# KiCad board pcb.kicad_pcb (continued)
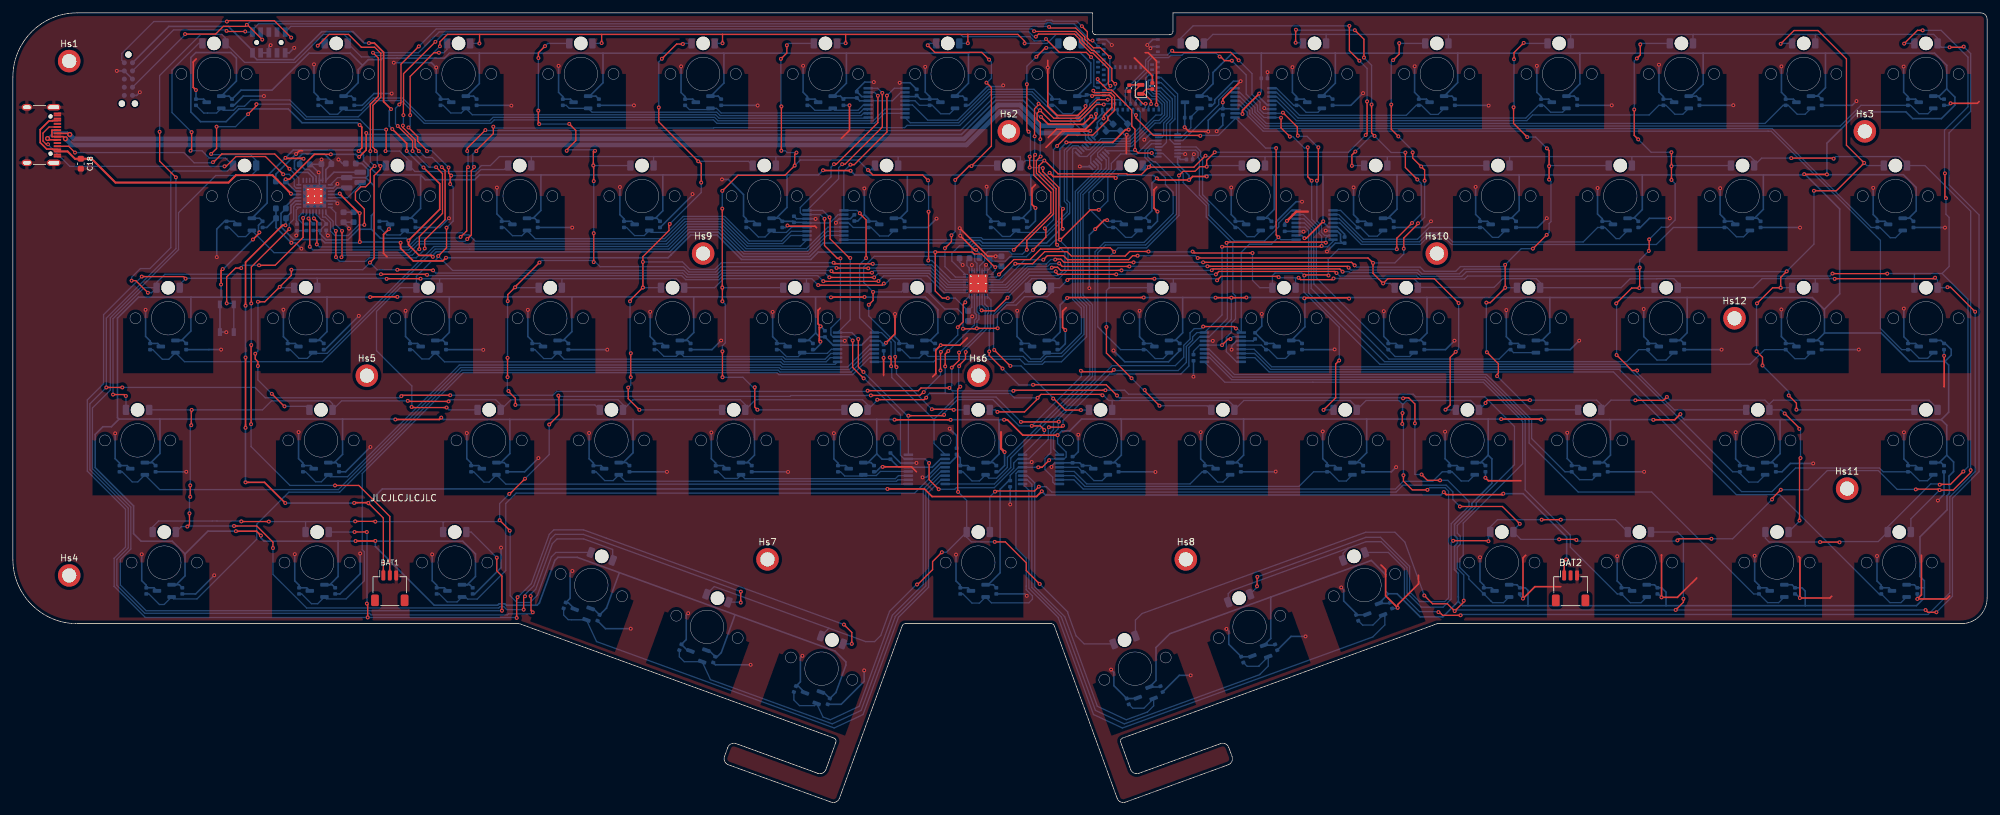
[diagram p0: board, top side]
## Routing (per net, layer and track width the routed paths; a pad name or vN(x,y) marks a point on that pad's centre or on a via; arc(x,y) is an arc through that point) (continued)
/AIN0: length 22
  Bottom w0.2: MUXA1.4 168.53,100.5 168.53,100.94 169.59,102 173.86,102 177.47,105.62 178.24,105.62 179.35,106.73 179.35,108.88 178.06,110.17 177.25,110.17 176.42,111.01 176.4,111.01 176.4,112.01 176.4,112.01 176.4,112.21 176.5,112.31 MDBT1.11
/AIN1: length 24.4
  Bottom w0.2: MDBT1.9 176.5,113.11 176,112.61 176,110.81 177.03,109.77 177.89,109.77 178.95,108.71 178.95,106.9 178.07,106.02 177.31,106.02 173.69,102.4 169.43,102.4 167.47,100.45 167.47,99.44 MUXA1.7
/AIN2: length 13.2
  Bottom w0.2: MDBT1.20 175.15,107.41 175.15,104.99 173.36,103.2 169.09,103.2 167.37,101.48 166.85,101.48 MUXA1.12
/AIN3: length 22.6
  Bottom w0.2: MUXA1.9 165.79,100.42 166.88,100.42 169.26,102.8 173.52,102.8 177.58,106.86 178.35,106.86 178.55,107.06 178.55,108.55 177.73,109.37 174.71,109.37 174.45,109.11 MDBT1.21
/AIN4: length 10.8
  Bottom w0.2: MDBT1.13 177,110.99 177.42,110.57 178.22,110.57 179.75,109.04 179.75,106.57 178.8,105.61 178.8,103.67 178.53,103.4 MUXA2.7 177.93,103.36
/AIN5: length 10.4
  Bottom w0.2: MDBT1.10 178.4,112.71 180.97,110.14 MUXA2.9
/AIN6: length 11.7
  Bottom w0.2: MUXA2.4 178.53,101.9 179.24,102.61 179.24,105.49 180.15,106.4 180.15,109.21 180.15,109.21 180.15,109.36 178.4,111.11 MDBT1.14
/AIN7: length 12
  Bottom w0.2: MDBT1.12 178.4,111.91 180.55,109.76 180.55,106.24 179.79,105.47 179.79,103.03 180.41,102.4 MUXA2.12
/ANA_01: length 116.4
  Bottom w0.2: Cvout1.1 29.66,107.18 30.26,107.18 30.26,107.18 31.66,107.18 TMR1.2 32.69,107.61 34.3,107.61 34.93,108.24 36,108.24 36.97,109.21 43.02,109.21 45.64,106.59 53.66,106.59 56.18,109.11 60.39,109.11 63.92,105.58 74.25,105.58 74.78,106.11 108.86,106.11 109.39,105.58 133.85,105.58 135.41,107.14 MUXB1.7
/ANA_02: length 95.7
  Bottom w0.2: Cvout2.1 47.85,108.38 49.24,106.99 50.47,106.99 TMR2.2 51.69,107.61 54.12,107.61 56.02,109.51 60.56,109.51 64.09,105.98 74.09,105.98 74.62,106.51 109.03,106.51 109.56,105.98 133.69,105.98 135.49,107.79 MUXB1.6
/ANA_03: length 67.9
  Bottom w0.2: MUXB1.9 132.78,106.38 109.72,106.38 109.19,106.91 71.39,106.91 TMR3.2 69.67,107.19 68.04,107.19 66.85,108.38 Cvout3.1
/ANA_04: length 48.5
  Bottom w0.2: Cvout4.1 85.97,108.38 86.44,107.91 TMR4.2 89.99,107.31 109.36,107.31 109.89,106.78 131.8,106.78 132.15,107.14 MUXB1.10 132.74,106.99
/ANA_05: length 29.5
  Bottom w0.2: 132.74,107.64 MUXB1.11 132.15,107.79 131.56,107.19 110.05,107.19 109.33,107.91 TMR5.2 108.2,107.72 105.11,107.72 Cvout5.1
/ANA_06: length 10.4
  Bottom w0.2: Cvout6.1 123.83,108.38 124.61,107.6 127.08,107.6 TMR6.2 127.69,107.61 131.32,107.61 132.14,108.44 MUXB1.12
/ANA_07: length 9
  Bottom w0.2: MUXB1.4 140.17,109.09 140.87,108.38 Cvout7.1 142.85,108.38 144.17,107.06 145.54,107.06 TMR7.2
/ANA_08: length 31.7
  Bottom w0.2: TMR8.2 164.56,107.08 163.14,107.08 161.84,108.38 Cvout8.1 161.14,108.38 158.65,110.87 151.59,110.87 146.79,106.07 142.14,106.07 139.78,108.44 MUXB1.5
/ANA_09: length 6.3
  Bottom w0.2: MUXA2.10 181.53,103.4 183.03,104.9 Cvout9.1 183.03,106.55 TMR9.2
/ANA_10: length 9.6
  Bottom w0.2: TMR10.2 202.77,107.29 200.94,107.29 199.85,108.38 Cvout10.1 199,108.38 196.35,111.04 MUXB5.9
/ANA_11: length 29.9
  Bottom w0.2: MUXB5.10 196.35,110.39 199.9,106.83 216.5,106.83 218.05,108.38 Cvout11.1 218.85,108.38 220.27,106.96 221.44,106.96 TMR11.2
/ANA_12: length 48.7
  Bottom w0.2: TMR12.2 240.79,107.31 238.92,107.31 237.85,108.38 Cvout12.1 237.05,108.38 235.07,106.4 199.68,106.4 196.35,109.74 MUXB5.11
/ANA_13: length 68
  Bottom w0.2: MUXB5.12 196.35,109.09 199.43,106 235.24,106 236.12,106.88 254.24,106.88 255.74,108.38 Cvout13.1 256.85,108.38 258.24,106.99 259.47,106.99 TMR13.2
/ANA_14: length 94
  Bottom w0.2: TMR14.2 278.47,106.99 277.24,106.99 275.85,108.38 Cvout14.1 275.05,108.38 272.23,105.56 194.77,105.56 192.98,107.35 192.98,108.03 190.62,110.39 MUXB5.7
/ANA_15: length 113
  Bottom w0.2: TMR15.2 297.55,107.07 296.16,107.07 294.85,108.38 Cvout15.1 287.15,108.38 283.93,105.16 194.6,105.16 192.58,107.19 192.58,107.78 190.62,109.74 MUXB5.6
/ANA_16: length 103.1
  Bottom w0.2: MUXB2.5 126.64,89.44 123.29,86.08 113.91,86.08 110.09,89.9 104.66,89.9 101.58,86.82 62.99,86.82 61.63,85.46 40.59,85.46 TMR16.2 36.19,87.96 35.02,87.96 33.6,89.38 Cvout16.1
/ANA_17: length 71.2
  Bottom w0.2: MUXB2.9 122.38,86.48 114.08,86.48 110.26,90.3 104.49,90.3 101.43,87.24 71.85,87.24 70.86,88.23 70.17,88.23 69.84,88.56 61.24,88.56 TMR17.2 60.2,88.22 58.11,88.22 Cvout17.1
/ANA_18: length 52.2
  Bottom w0.2: MUXB2.10 120.86,88.14 119.61,86.88 114.24,86.88 110.42,90.7 104.33,90.7 101.27,87.64 81.16,87.64 TMR18.2 79.08,88.1 77.63,88.1 76.35,89.38 Cvout18.1
/ANA_19: length 32.6
  Bottom w0.2: Cvout19.1 95.35,89.38 96.61,88.12 98.1,88.12 TMR19.2 99.19,88.61 101.67,88.61 104.16,91.1 110.59,91.1 114.41,87.28 119.44,87.28 120.95,88.79 MUXB2.11
/ANA_20: length 10.9
  Bottom w0.2: MUXB2.12 121,89.44 120.18,88.61 118.19,88.61 TMR20.2 116.88,87.9 115.83,87.9 114.35,89.38 Cvout20.1
/ANA_21: length 9
  Bottom w0.2: MUXB2.4 129.85,90.09 130.55,89.38 Cvout21.1 133.35,89.38 134.67,88.06 136.04,88.06 TMR21.2
/ANA_22: length 28.3
  Bottom w0.2: MUXA1.13 166.8,102.23 166.26,102.76 164.75,102.76 163.38,101.39 163.38,93.46 163.81,93.03 163.81,91.78 160.63,88.61 156.19,88.61 TMR22.2 155.87,88.91 154.94,87.98 153.75,87.98 152.35,89.38 Cvout22.1
/ANA_23: length 27.2
  Bottom w0.2: MUXA2.6 176.72,102.9 174.63,100.82 172.14,100.82 170.67,99.35 170.67,98.32 167.19,94.84 167.19,92.31 170.12,89.38 Cvout23.1 171.35,89.38 172.89,87.84 173.82,87.84 TMR23.2
/ANA_24: length 22.9
  Bottom w0.2: MUXA2.13 183.85,101.9 184.55,101.21 184.55,100.43 184.85,100.13 184.85,94.48 189.95,89.38 Cvout24.1 190.35,89.38 191.78,87.95 192.93,87.95 TMR24.2
/ANA_25: length 9.8
  Bottom w0.2: TMR25.2 212.01,88.03 210.7,88.03 209.35,89.38 Cvout25.1 206.29,92.04 MUXB6.9
/ANA_26: length 30.2
  Bottom w0.2: MUXB6.10 206.01,91.39 209.84,87.55 218.24,87.55 220.07,89.38 Cvout26.1 228.35,89.38 229.89,87.84 230.82,87.84 TMR26.2
/ANA_27: length 50.6
  Bottom w0.2: MUXB6.11 206.09,90.74 209.68,87.15 218.53,87.15 219.9,88.52 222.32,88.52 223.71,87.13 243.99,87.13 246.24,89.38 Cvout27.1 247.35,89.38 249.08,87.65 249.63,87.65 TMR27.2
/ANA_28: length 69.4
  Bottom w0.2: TMR28.2 268.91,87.93 267.8,87.93 266.35,89.38 Cvout28.1 258,89.38 255.35,86.73 223.54,86.73 222.15,88.12 220.07,88.12 218.7,86.75 209.51,86.75 206.18,90.09 MUXB6.12
/ANA_29: length 113.3
  Bottom w0.2: TMR29.2 292.52,87.79 291.69,87.79 290.1,89.38 Cvout29.1 288.74,89.38 273.36,104.76 194.44,104.76 192.18,107.02 192.18,107.53 190.62,109.09 MUXB5.5
/ANA_30: length 120.7
  Bottom w0.2: MUXB2.7 126.48,88.14 123.62,85.28 113.58,85.28 109.79,89.08 104.96,89.08 101.91,86.02 70.96,86.02 65.61,86.02 48.09,68.5 26.67,68.5 TMR30.2 24.23,68.88 23.23,68.88 21.73,70.38 Cvout30.1
/ANA_31: length 98.4
  Bottom w0.2: MUXB2.6 126.56,88.79 123.46,85.68 113.75,85.68 109.95,89.48 104.8,89.48 101.74,86.42 70.79,86.42 65.43,86.42 48.81,69.8 46.75,69.8 TMR31.2 45.75,69.02 44.46,69.02 43.1,70.38 Cvout31.1
/ANA_32: length 68.4
  Bottom w0.2: MUXB3.9 127.74,68.09 119.69,68.09 119.3,68.49 67.06,68.49 TMR32.2 64.66,68.93 63.55,68.93 62.1,70.38 Cvout32.1
/ANA_33: length 49.2
  Bottom w0.2: MUXB3.10 127,69.14 126.36,68.49 119.86,68.49 119.45,68.9 85.65,68.9 TMR33.2 83.72,68.99 82.49,68.99 81.1,70.38 Cvout33.1
/ANA_34: length 29.9
  Bottom w0.2: MUXB3.11 127.09,69.79 126.19,68.89 120.02,68.89 119.61,69.3 104.25,69.3 TMR34.2 103.06,69.33 101.15,69.33 100.1,70.38 Cvout34.1
/ANA_35: length 10.5
  Bottom w0.2: MUXB3.12 127.17,70.44 126.54,69.8 122.75,69.8 TMR35.2 122.02,69.29 120.19,69.29 119.1,70.38 Cvout35.1
/ANA_36: length 60.8
  Bottom w0.2: MUXA1.6 168.62,99.01 168.62,98.53 165.08,94.99 165.08,78.35 166.43,77 166.43,72.76 162.98,69.31 160.59,69.31 159.8,68.51 157.78,68.51 156.97,69.33 142.22,69.33 TMR36.2 140.82,69.09 139.39,69.09 138.1,70.38 Cvout36.1
/ANA_37: length 42.2
  Bottom w0.2: MUXA1.10 165.74,101.17 165.2,101.7 164.82,101.7 164.66,101.54 164.66,101.25 164.64,101.23 164.64,100.93 164.66,100.91 164.66,78.2 166.03,76.84 166.03,72.95 162.88,69.8 160.75,69.8 TMR37.2 160.63,69.91 159.65,68.93 158.15,68.93 Cvout37.1
/ANA_38: length 53.5
  Bottom w0.2: MUXA2.3 177.41,101.4 177.2,101.61 176.68,101.61 176.32,101.26 176.32,100.42 177.13,99.61 177.51,99.61 180.78,96.34 180.78,91.44 176,86.66 169.76,86.66 168.56,85.46 168.56,73.93 172.11,70.38 Cvout38.1 176.1,70.38 177.49,68.99 178.72,68.99 TMR38.2
/ANA_39: length 9
  Bottom w0.2: TMR39.2 197.74,69.01 196.47,69.01 195.1,70.38 Cvout39.1 194,71.09 MUXB7.4
/ANA_40: length 32.2
  Bottom w0.2: TMR40.2 217.04,69.31 214.77,69.31 Cvout40.1 202.53,81.55 202.53,89.36 200.5,91.39 MUXB6.7
/ANA_41: length 52.1
  Bottom w0.2: MUXB6.6 200.59,90.74 202.13,89.19 202.13,80.6 213.82,68.91 230.92,68.91 232.39,70.38 Cvout41.1 233.17,69.91 TMR41.2
/ANA_42: length 75
  Bottom w0.2: TMR42.2 256.92,68.82 256.91,68.82 256.85,68.76 255.45,68.76 254.07,70.14 Cvout42.1 252.63,70.38 250.76,68.51 213.12,68.51 201.73,79.9 201.73,89.03 200.67,90.09 MUXB6.5
/ANA_43: length 96.4
  Bottom w0.2: TMR43.2 278.45,68.97 276.88,68.97 275.47,70.38 Cvout43.1 272.18,70.38 269.91,68.11 212.39,68.11 201.33,79.18 201.33,88.86 200.75,89.44 MUXB6.4
/ANA_44: length 133.5
  Bottom w0.2: TMR44.2 297.52,69.04 296.19,69.04 294.85,70.38 Cvout44.1 293.47,70.38 290.17,73.68 290.17,87.38 273.2,104.35 272.71,104.35 272.7,104.36 194.27,104.36 191.78,106.85 191.78,107.28 190.62,108.44 MUXB5.4
/ANA_45: length 128.6
  Bottom w0.2: MUXB3.5 133.13,70.44 129.98,67.29 119.36,67.29 119.06,67.59 69.56,67.59 50.58,48.61 22.81,48.61 TMR45.2 19.41,49.81 18.55,49.81 16.98,51.38 Cvout45.1
/ANA_46: length 98.7
  Bottom w0.2: MUXB3.4 133.13,71.09 129.73,67.69 119.53,67.69 119.23,67.99 69.37,67.99 51.99,50.61 49.31,50.61 TMR46.2 47.92,49.82 47.03,49.82 45.48,51.38 Cvout46.1
/ANA_47: length 69.7
  Bottom w0.2: MUXB4.9 138.4,49.49 138.38,49.46 76.59,49.46 TMR47.2 74.01,49.78 73.2,49.78 71.6,51.38 Cvout47.1
/ANA_48: length 50.4
  Bottom w0.2: MUXB4.10 137.51,50.14 137.28,49.91 95.14,49.91 TMR48.2 94.14,50.89 93.26,50.01 91.97,50.01 90.6,51.38 Cvout48.1
/ANA_49: length 31.1
  Bottom w0.2: MUXB4.11 137.59,50.79 137.12,50.31 113.74,50.31 TMR49.2 113.14,50.89 112.59,50.34 110.64,50.34 109.6,51.38 Cvout49.1
/ANA_50: length 11.6
  Bottom w0.2: MUXB4.12 134.79,51.44 134.16,50.8 132.25,50.8 TMR50.2 132.14,50.89 131.97,50.72 129.26,50.72 128.6,51.38 Cvout50.1
/ANA_51: length 65.4
  Bottom w0.2: Cvout51.1 147.6,51.38 149.02,49.96 150.19,49.96 TMR51.2 151.66,50.39 152.84,50.39 154.51,52.07 154.51,53.63 167.34,66.45 167.34,77.22 165.88,78.68 165.88,94.66 169.87,98.65 169.87,99.89 169.3,100.46 MUXA1.3
/ANA_52: length 8.8
  Bottom w0.2: TMR52.2 169.24,50.01 167.97,50.01 166.6,51.38 Cvout52.1 165.5,52.09 MUXB8.4
/ANA_53: length 29.2
  Bottom w0.2: MUXB8.5 164.91,51.44 166.84,49.5 182.92,49.5 184.8,51.38 Cvout53.1 185.6,51.38 187.19,49.79 188.02,49.79 TMR53.2
/ANA_54: length 48.2
  Bottom w0.2: MUXB8.6 164.9,50.79 166.58,49.1 199.82,49.1 202.1,51.38 Cvout54.1 204.6,51.38 206.04,49.94 207.17,49.94 TMR54.2
/ANA_55: length 67.2
  Bottom w0.2: TMR55.2 226.18,49.95 225.03,49.95 223.6,51.38 Cvout55.1 222.09,51.38 220.61,49.9 216.02,49.9 214.82,48.7 166.3,48.7 164.87,50.14 MUXB8.7
/ANA_56: length 71.5
  Bottom w0.2: TMR56.2 245.61,50.38 245.61,50.37 245.39,50.15 243.43,50.15 Cvout56.1 241.15,51.38 235.98,56.55 235.98,59.5 228.97,66.51 189.8,66.51 185.87,70.44 MUXB7.12
/ANA_57: length 90.6
  Bottom w0.2: TMR57.2 271.13,49.78 269.69,49.78 268.32,51.15 Cvout57.1 267.22,51.38 250.89,67.71 195.59,67.71 192.86,70.44 MUXB7.5
/ANA_58: length 119.1
  Bottom w0.2: TMR58.2 297.47,49.99 296.24,49.99 294.85,51.38 Cvout58.1 290.6,51.38 290.01,51.97 276.99,51.97 273.32,48.3 268.6,48.3 249.59,67.31 195.42,67.31 192.94,69.79 MUXB7.6
/ANA_59: length 131.9
  Bottom w0.2: Cvout59.1 21.12,32.38 22.77,30.74 23.49,30.74 TMR59.2 24.96,31.61 28.61,31.61 37.89,40.89 37.89,43.23 42.07,47.41 42.08,47.41 42.88,48.21 50.78,48.21 69.76,67.19 118.89,67.19 119.19,66.89 130.23,66.89 133.13,69.79 MUXB3.6
/ANA_60: length 116.6
  Bottom w0.2: MUXB3.7 133.13,69.14 130.48,66.49 119.03,66.49 118.73,66.79 69.96,66.79 54.28,51.11 54.28,39.27 54.61,38.94 54.61,34.44 51.78,31.61 48.71,31.61 TMR60.2 47.36,30.86 46.4,30.86 44.88,32.38 Cvout60.1
/ANA_61: length 94.6
  Bottom w0.2: MUXB4.4 144.13,52.09 140.1,48.06 78.19,48.06 76.58,46.45 76.58,36.02 72.14,31.58 70.65,31.58 70.32,31.91 TMR61.2 69.02,31.14 67.49,31.14 66.25,32.38 Cvout61.1
/ANA_62: length 93.7
  Bottom w0.2: 89.11,28.36 86.77,28.36 86.29,28.38 85.57,29.1 Cvout62.1 ; MUXB4.7 144.21,50.14 142.28,48.21 142.28,33.43 137.61,28.76 132.1,13.63 127.61,11.53 90.69,24.97 TMR62.2
/ANA_63: length 74.1
  Bottom w0.2: Cvout63.1 103.55,22.61 104.32,21.84 TMR63.2 108.39,19.06 127.31,12.17 131.8,14.27 137.11,28.86 137.11,28.88 141.85,33.62 141.85,48.51 144.13,50.79 MUXB4.6
/ANA_64: length 55
  Bottom w0.2: MUXB4.5 144.19,51.44 141.45,48.7 141.45,33.87 136.66,29.08 131.5,14.91 127.01,12.82 125.88,13.23 TMR64.2 124.56,15.01 122.22,15.01 121.35,15.88 Cvout64.1
/ANA_65: length 34.6
  Bottom w0.2: MUXB8.12 156.16,51.44 155.85,51.12 155.85,39.54 157.45,37.94 157.45,33.6 157.44,33.59 157.44,33.05 158.42,32.07 158.42,31.56 157.86,31 152.05,31 TMR65.2 150.19,30.96 149.02,30.96 147.6,32.38 Cvout65.1
/ANA_66: length 55.6
  Bottom w0.2: Cvout66.1 173.99,14.61 175.74,14.61 TMR66.2 177.25,14.98 176.28,14.01 176.26,14.01 172.99,12.82 168.5,14.91 163.43,28.84 158.77,33.5 158.77,49.64 157.62,50.79 MUXB8.11
/ANA_67: length 75.2
  Bottom w0.2: Cvout67.1 191.77,21.13 193.61,21.13 193.61,21.18 TMR67.2 195.05,21.17 193.75,19.87 193.75,19.84 172.69,12.17 168.2,14.27 162.91,28.79 158.32,33.38 158.32,49.44 157.62,50.14 MUXB8.10
/ANA_68: length 94.6
  Bottom w0.2: MUXB8.9 157.86,48.51 157.86,33.28 162.4,28.74 167.9,13.63 172.39,11.53 211.3,25.7 213.17,27.57 213.17,28.85 TMR68.2 211.32,27.54 209.71,27.54 Cvout68.1
/ANA_69: length 90.6
  Bottom w0.2: MUXB7.9 188.31,65.31 201.99,65.31 228.47,65.31 234.57,59.21 234.57,52.63 225.35,43.4 225.35,38.39 224.82,37.86 224.82,36.51 226.22,35.11 226.22,34.71 Cvout69.1 229.7,31.23 229.71,31.23 229.92,31.02 231.6,31.02 TMR69.2
/ANA_70: length 92.3
  Bottom w0.2: TMR70.2 252.96,31.01 251.32,31.01 249.95,32.38 Cvout70.1 249.27,32.38 241.99,39.66 241.99,41.54 234.97,48.55 234.97,59.37 228.64,65.71 189.38,65.71 185.96,69.14 MUXB7.10
/ANA_71: length 108.6
  Bottom w0.2: MUXB7.11 185.87,69.79 189.55,66.11 228.8,66.11 235.58,59.33 235.58,55.86 243.21,48.23 254.63,48.23 270.48,32.38 Cvout71.1 272.65,31.03 274.36,31.03 TMR71.2
/ANA_72: length 119.5
  Bottom w0.2: TMR72.2 293.36,31.03 291.65,31.03 Cvout72.1 289.96,32.38 274.51,47.83 267.77,47.83 248.69,66.91 195.18,66.91 192.96,69.14 MUXB7.7
/CS0: length 166.3
  Top w0.2: v1(173.82,65.93) 169.91,69.84 v1(169.91,73.9) ; v1(175.86,64.1) 175.92,64.04 175.92,63.89 v1(178.16,61.65) ; v1(186.74,101.08) 185.49,99.83 185.49,98.85 v1(185.5,98.84) 184.4,98.84 183.67,98.11 181.83,98.11 v1(181.18,97.46) ; v1(171.12,85.6) 170.49,86.22 162.75,86.22 162.55,86.02 159.68,86.02 158.05,84.39 155.53,84.39 v1(153.21,82.07) ; v1(210.41,108.99) 210.41,103.97 v1(210.19,103.75) ; v1(207.66,120.74) 207.66,116.87 v1(209.22,115.31)
  Bottom w0.2: v1(178.16,61.65) 185.56,61.65 D53.1 ; v1(175.86,64.1) 175.65,64.1 v1(173.82,65.93) ; v1(169.91,73.9) 169.91,79.57 170.34,80 ; v1(207.66,120.74) 183.38,120.74 181.45,118.81 D9.1 ; v1(181.18,97.46) 181.18,91.24 176.15,86.21 171.73,86.21 170.34,84.82 170.34,80 ; v1(210.19,103.75) 207.52,101.08 v1(186.74,101.08) ; v1(185.5,98.84) 185.67,99.01 D24.1 ; D38.1 170.35,80.01 170.34,80 ; v1(153.21,82.07) 152.8,81.66 LEDDR1.2 ; v1(209.22,115.31) 210.41,114.12 v1(210.41,108.99)
/CS1: length 163.6
  Top w0.2: v1(192.61,85.41) 183.52,85.41 v1(183.3,85.63) ; v1(215.03,86) 215.03,87.71 v1(217.4,90.08) ; v1(211.58,103.61) 211.11,104.08 v1(211.11,108.5) ; v1(206.08,68.7) 205.53,68.15 205.53,62.89 v1(203.64,61) ; v1(199.36,120.14) 199.31,120.09 v1(199.31,118.11) ; v1(200.66,81.91) 200.76,82.01 204.33,82.01 v1(204.43,81.91) ; v1(209.92,115.8) 209.92,118.66 v1(208.51,120.07) ; v1(216.36,101.04) 216.36,98.7 v1(218.22,96.84) ; v1(208.59,101.19) 208.05,100.65 v1(208.05,98.96) ; v1(155.74,83.74) 158.44,83.74 160.32,85.62 163.78,85.62 164.46,84.94 172.82,84.94 173.52,85.64 v1(176.45,85.64)
  Bottom w0.2: v1(208.59,101.19) 211.01,103.61 v1(211.58,103.61) 214.15,101.04 v1(216.36,101.04) ; v1(208.05,98.96) 208.1,99.01 D25.1 ; D54.1 203.65,61.01 v1(203.64,61) ; v1(218.22,96.84) 218.83,96.23 218.83,91.51 v1(217.4,90.08) ; v1(176.45,85.64) 176.51,85.58 183.25,85.58 v1(183.3,85.63) ; LEDDR1.3 153.26,81.26 v1(155.74,83.74) ; v1(206.08,68.7) 206.08,73.86 200.6,79.34 200.6,81.85 v1(200.66,81.91) 200.28,82.3 196.11,82.3 195.7,81.89 D39.1 193.75,80.01 192.61,81.15 v1(192.61,85.41) ; v1(208.51,120.07) 199.43,120.07 v1(199.36,120.14) ; v1(209.92,115.8) 211.11,114.61 v1(211.11,108.5) ; v1(204.43,81.91) 204.37,81.96 204.37,84.41 205.96,86 v1(215.03,86) ; v1(199.31,118.11) 200.35,118.11 D10.1
/CS2: length 157.1
  Top w0.2: v1(222.59,61.04) 223.32,61.77 223.32,69.18 v1(224.18,70.04) ; v1(218.32,90.04) 218.32,89.95 216.11,87.73 v1(216.11,86.08) ; v1(184.09,84.64) 210.56,84.64 v1(211.33,83.87) 211.33,82.25 v1(212.9,80.68) 213.63,81.41 220.85,81.41 v1(224.64,77.62) ; v1(217.49,101.05) 217.49,100.19 v1(218.81,98.87) 219.35,98.33 v1(219.35,96.66) ; v1(160.1,84.36) 160.73,84.99 163.25,84.99 163.87,84.37 173.36,84.37 173.98,84.99 v1(174.76,84.99) ; v1(214.45,115.41) 215.4,116.36 v1(215.4,118.05) ; v1(214.17,108.5) 214.17,104.65 v1(215.27,103.55)
  Bottom w0.2: v1(218.81,98.87) 218.95,99.01 D26.1 ; v1(215.4,118.05) 215.44,118.01 D11.1 ; D40.1 214.03,80.68 v1(212.9,80.68) ; v1(222.59,61.04) 222.62,61.01 D55.1 ; v1(214.45,115.41) 214.17,115.13 v1(214.17,108.5) ; v1(174.76,84.99) 183.74,84.99 v1(184.09,84.64) ; v1(224.64,77.62) 224.64,70.5 v1(224.18,70.04) ; v1(216.11,86.08) 216.11,85.26 214.72,83.87 v1(211.33,83.87) ; LEDDR1.4 153.75,80.86 157.25,84.36 v1(160.1,84.36) ; v1(217.49,101.05) 217.49,101.33 v1(215.27,103.55) ; v1(219.35,96.66) 219.35,90.97 218.41,90.04 v1(218.32,90.04)
/CS3: length 174.5
  Top w0.2: v1(174.13,83.95) 163.33,83.95 162.83,84.45 162.01,84.45 v1(161.95,84.39) ; v1(230.61,66.26) 230.61,66.54 230.81,66.74 230.81,68.19 v1(229.03,69.97) ; v1(238.69,96.83) v1(238.69,98.92) 238.69,101.35 v1(238.35,101.69) ; v1(208.48,83.48) 208,83.96 v1(184.93,83.96) ; v1(235.29,103.44) 233.17,105.56 v1(233.17,108.08) ; v1(238.32,88.23) v1(236.18,86.09) ; v1(234.75,118.09) 233.24,116.58 v1(233.24,115.55) ; v1(228.94,77.69) 229.56,77.69 v1(231.87,80) 231.87,83.57 v1(231.86,83.58)
  Bottom w0.2: v1(229.03,69.97) 228.94,70.06 v1(228.94,77.69) ; LEDDR1.5 154.25,80.46 157.5,83.71 160.59,83.71 161.26,84.39 v1(161.95,84.39) ; D41.1 231.88,80.01 v1(231.87,80) ; v1(233.17,108.08) 233.24,108.15 v1(233.24,115.55) ; D12.1 234.83,118.01 v1(234.75,118.09) ; D27.1 238.78,99.01 v1(238.69,98.92) ; v1(238.32,88.23) 238.69,88.6 238.69,90 238.98,90.29 238.98,96.54 v1(238.69,96.83) ; D56.1 235.86,61.01 v1(230.61,66.26) ; v1(236.18,86.09) 234.37,86.09 v1(231.86,83.58) 231.58,83.3 224.92,83.3 224.19,82.57 219.3,82.57 218.66,83.21 208.75,83.21 v1(208.48,83.48) ; v1(235.29,103.44) 236.6,103.44 v1(238.35,101.69) ; v1(184.93,83.96) 184.92,83.95 v1(174.13,83.95)
/CS4: length 201.9
  Top w0.2: v1(254.18,85.73) 254.24,85.79 v1(254.24,87.53) ; v1(173.48,83.32) 163.04,83.32 v1(162.56,83.8) ; v1(257.7,96.77) v1(257.7,98.92) v1(257.7,101.08) ; v1(252.86,117.86) 252.86,116.21 v1(252.32,115.67) ; v1(207.54,83.13) 207.33,83.34 v1(185.6,83.34) ; v1(251.92,107.73) 251.92,103.7 v1(252.54,103.08) ; v1(252.76,83.15) 252.76,80.01 v1(252.71,79.96) 251.52,79.96 v1(249.12,77.56) ; v1(252.37,67.13) 251.59,67.13 v1(249.18,69.54)
  Bottom w0.2: v1(207.54,83.13) 207.91,82.76 218.34,82.76 218.93,82.17 224.75,82.17 225.48,82.9 252.51,82.9 v1(252.76,83.15) 252.76,84.31 v1(254.18,85.73) ; v1(257.7,98.92) 257.79,99.01 D28.1 ; v1(252.32,115.67) 251.92,115.27 v1(251.92,107.73) ; v1(252.54,103.08) 254.54,101.08 v1(257.7,101.08) ; v1(162.56,83.8) 162.51,83.75 161.19,83.75 160.75,83.31 157.66,83.31 154.41,80.06 LEDDR1.6 ; D13.1 253.01,118.01 v1(252.86,117.86) ; D42.1 252.76,80.01 v1(252.71,79.96) ; v1(173.48,83.32) 173.5,83.34 v1(185.6,83.34) ; v1(252.37,67.13) 252.37,66.8 258.16,61.01 D57.1 ; v1(249.18,69.54) 249.18,77.5 v1(249.12,77.56) ; v1(257.7,96.77) 258.27,96.2 258.27,90.54 257.15,89.42 256.13,89.42 v1(254.24,87.53)
/CS5: length 232.2
  Top w0.2: v1(172.26,82.71) 162.8,82.71 162.31,83.2 161.49,83.2 v1(161.42,83.13) ; v1(275.92,63.25) 277.12,62.05 v1(277.12,61.04) ; v1(186.28,82.73) 186.49,82.94 206.17,82.94 v1(206.61,82.5) ; v1(274.67,117.94) 276.74,120.01 280.47,120.01 284.89,115.59 284.89,102.18 v1(287.65,99.42) 283.32,95.09 v1(279.84,95.09) ; v1(270.99,77.57) 273.42,80 v1(274.68,80) 274.68,81.63 v1(275.61,82.56) ; v1(271.85,67.91) 271.85,69.19 v1(270.92,70.12)
  Bottom w0.2: v1(172.26,82.71) 186.26,82.71 v1(186.28,82.73) ; v1(275.92,63.25) 275.92,63.84 v1(271.85,67.91) ; D29.1 288.06,99.01 v1(287.65,99.42) ; v1(161.42,83.13) 161.2,82.91 157.83,82.91 154.58,79.66 LEDDR1.7 ; v1(274.68,80) 274.69,80.01 D43.1 ; v1(279.84,95.09) 279.84,86.79 v1(275.61,82.56) 275.55,82.5 225.84,82.5 225.11,81.77 218.76,81.77 218.17,82.36 207.74,82.36 207.6,82.5 v1(206.61,82.5) ; v1(270.92,70.12) 270.92,77.5 v1(270.99,77.57) ; v1(277.12,61.04) 277.15,61.01 D58.1 ; D14.1 274.74,118.01 v1(274.67,117.94)
/CS6: length 272.6
  Top w0.2: v1(300.19,97.8) 300.19,94.1 v1(300.35,93.94) ; v1(303.06,51.43) 301.06,49.43 299.44,49.43 v1(299.38,49.37) ; v1(296.74,120.04) 295.92,120.04 v1(293.85,117.97) ; v1(282.72,82.21) 282.73,82.2 v1(291.23,82.2) ; v1(171.44,82.09) 162.36,82.09 162.04,82.41 v1(162.04,82.55) ; v1(186.92,82.08) 187.38,82.54 205.42,82.54 v1(205.66,82.3) ; v1(283.82,40.41) 283.78,40.45 v1(280.79,40.45)
  Bottom w0.2: D44.1 295.45,82.21 295.44,82.22 ; v1(296.74,120.04) 299.6,120.04 303.78,115.87 303.78,108.17 300.13,104.52 300.13,97.86 v1(300.19,97.8) ; v1(171.44,82.09) 171.45,82.08 v1(186.92,82.08) ; 299.75,82.22 300.84,83.31 300.84,90.95 300.35,91.44 v1(300.35,93.94) ; 299.75,82.22 303.78,78.2 303.78,52.15 v1(303.06,51.43) ; 299.75,82.22 295.44,82.22 ; v1(291.23,82.2) 291.25,82.22 295.44,82.22 ; v1(205.66,82.3) 206.13,81.83 218.11,81.83 218.57,81.37 225.55,81.37 226.01,81.83 282.34,81.83 v1(282.72,82.21) ; v1(293.85,117.97) 293.89,118.01 D15.1 ; D71.1 272.3,41.04 272.88,40.46 280.78,40.46 v1(280.79,40.45) ; LEDDR1.8 154.76,79.26 157.95,82.45 161.94,82.45 v1(162.04,82.55) ; v1(283.82,40.41) 283.94,40.53 289.82,40.53 D72.1 291.3,42.81 297.99,49.5 299.25,49.5 v1(299.38,49.37)
/CS7: length 193.8
  Top w0.2: v1(216,62.8) 216.09,62.89 216.88,62.89 217.84,61.93 v1(217.84,58.92) ; v1(151.7,70.1) 151.7,69.5 v1(153.77,67.43) ; v1(158.51,64.91) 169.88,64.91 v1(171.55,63.24) ; v1(221.75,50.05) 219.78,50.05 v1(218.87,50.96) ; v1(223.78,40.65) 223.8,40.67 229.18,40.67 v1(229.27,40.58) ; v1(237.53,43.93) 240.5,43.93 v1(240.51,43.93)
  Bottom w0.2: v1(221.75,50.05) 222.95,50.05 226.25,46.75 226.25,46.07 223.48,43.3 223.48,40.95 v1(223.78,40.65) 223.47,40.34 223.47,31.58 222.22,30.33 218.82,30.33 216.62,32.54 216.62,36.5 212.61,40.5 210.22,40.5 207.45,39.5 ; v1(216,62.8) 215.91,62.89 171.9,62.89 v1(171.55,63.24) ; 207.45,39.5 206.68,38.73 D68.1 ; 207.45,39.5 189.31,32.89 188.83,32.42 D67.1 ; v1(237.53,43.93) 230.67,43.93 229.55,42.81 D69.1 229.27,41.73 v1(229.27,40.58) ; v1(151.7,70.1) 151.7,73.41 151.88,73.59 151.88,75.8 151.97,75.89 151.97,78.1 LEDDR1.9 ; v1(240.51,43.93) 249,43.93 250.93,42.01 ; v1(217.84,58.92) 217.84,50.99 217.87,50.96 v1(218.87,50.96) ; v1(158.51,64.91) 158.49,64.89 156.31,64.89 v1(153.77,67.43)
